# KiCad board k-1008-visable-memory.kicad_pcb
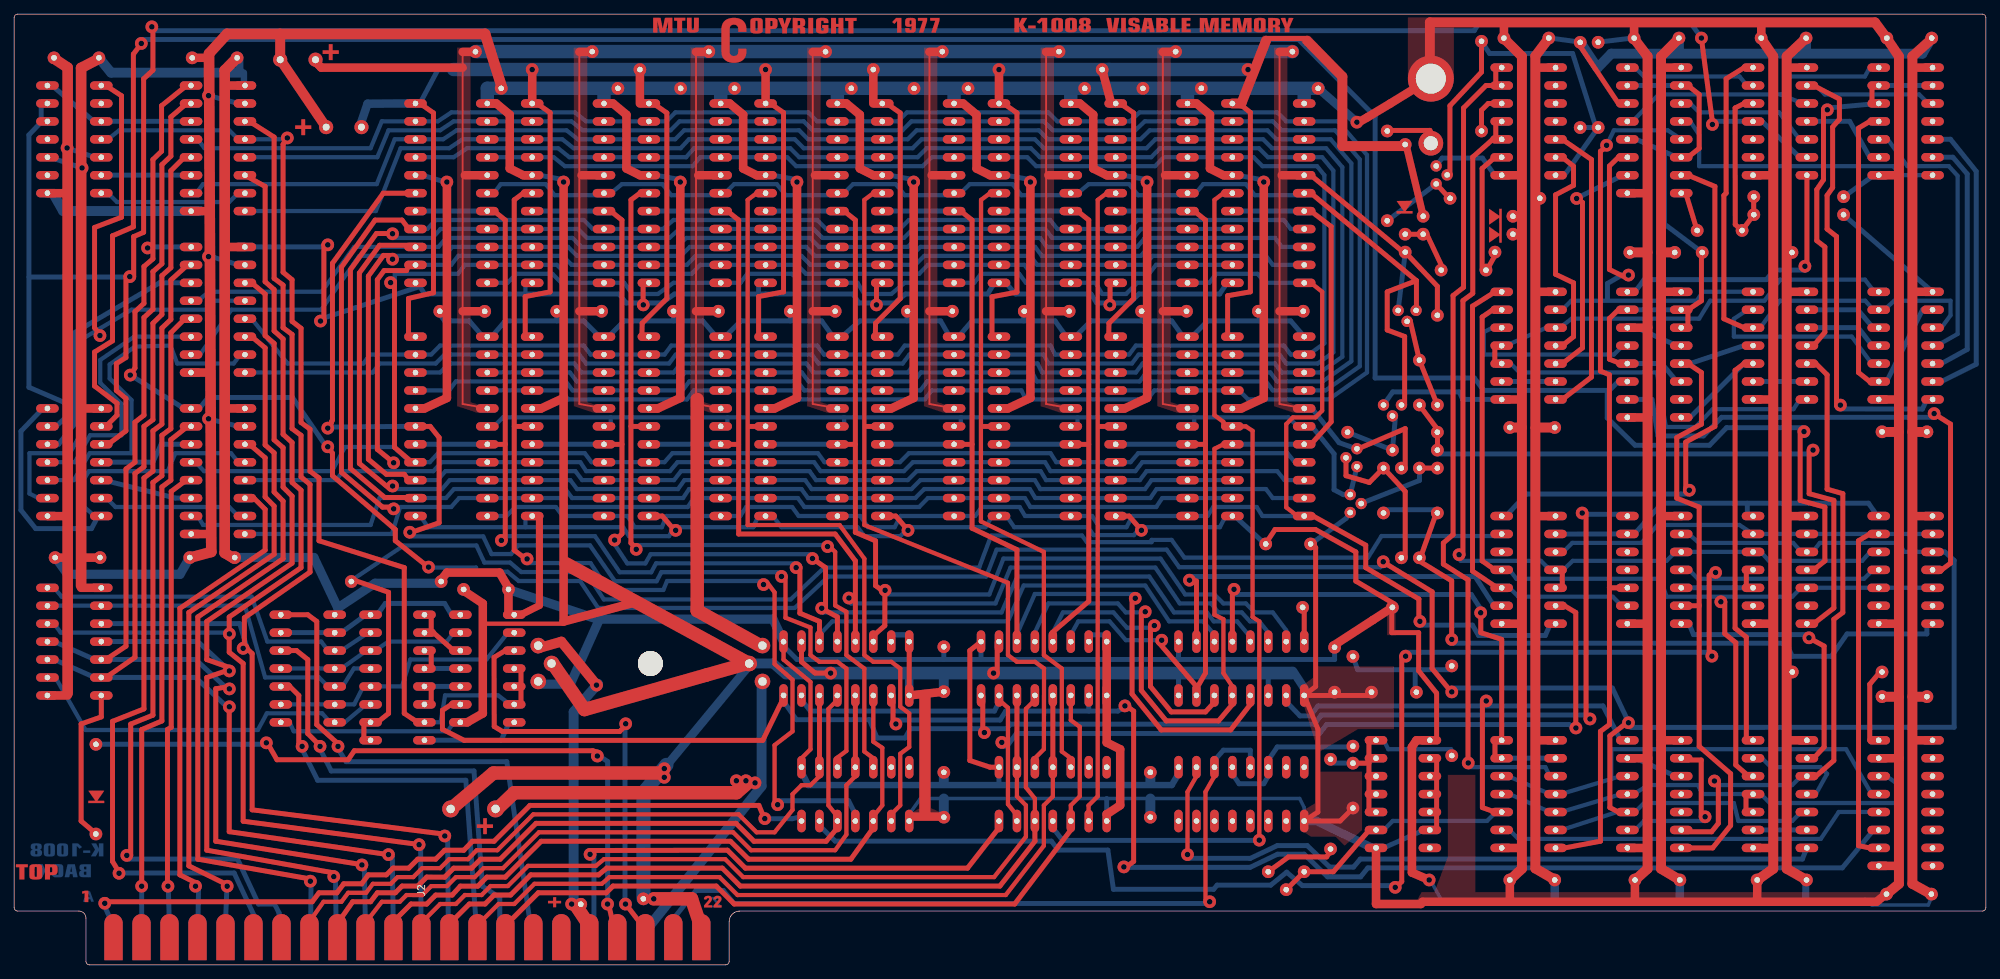
[diagram p0: board, top side]
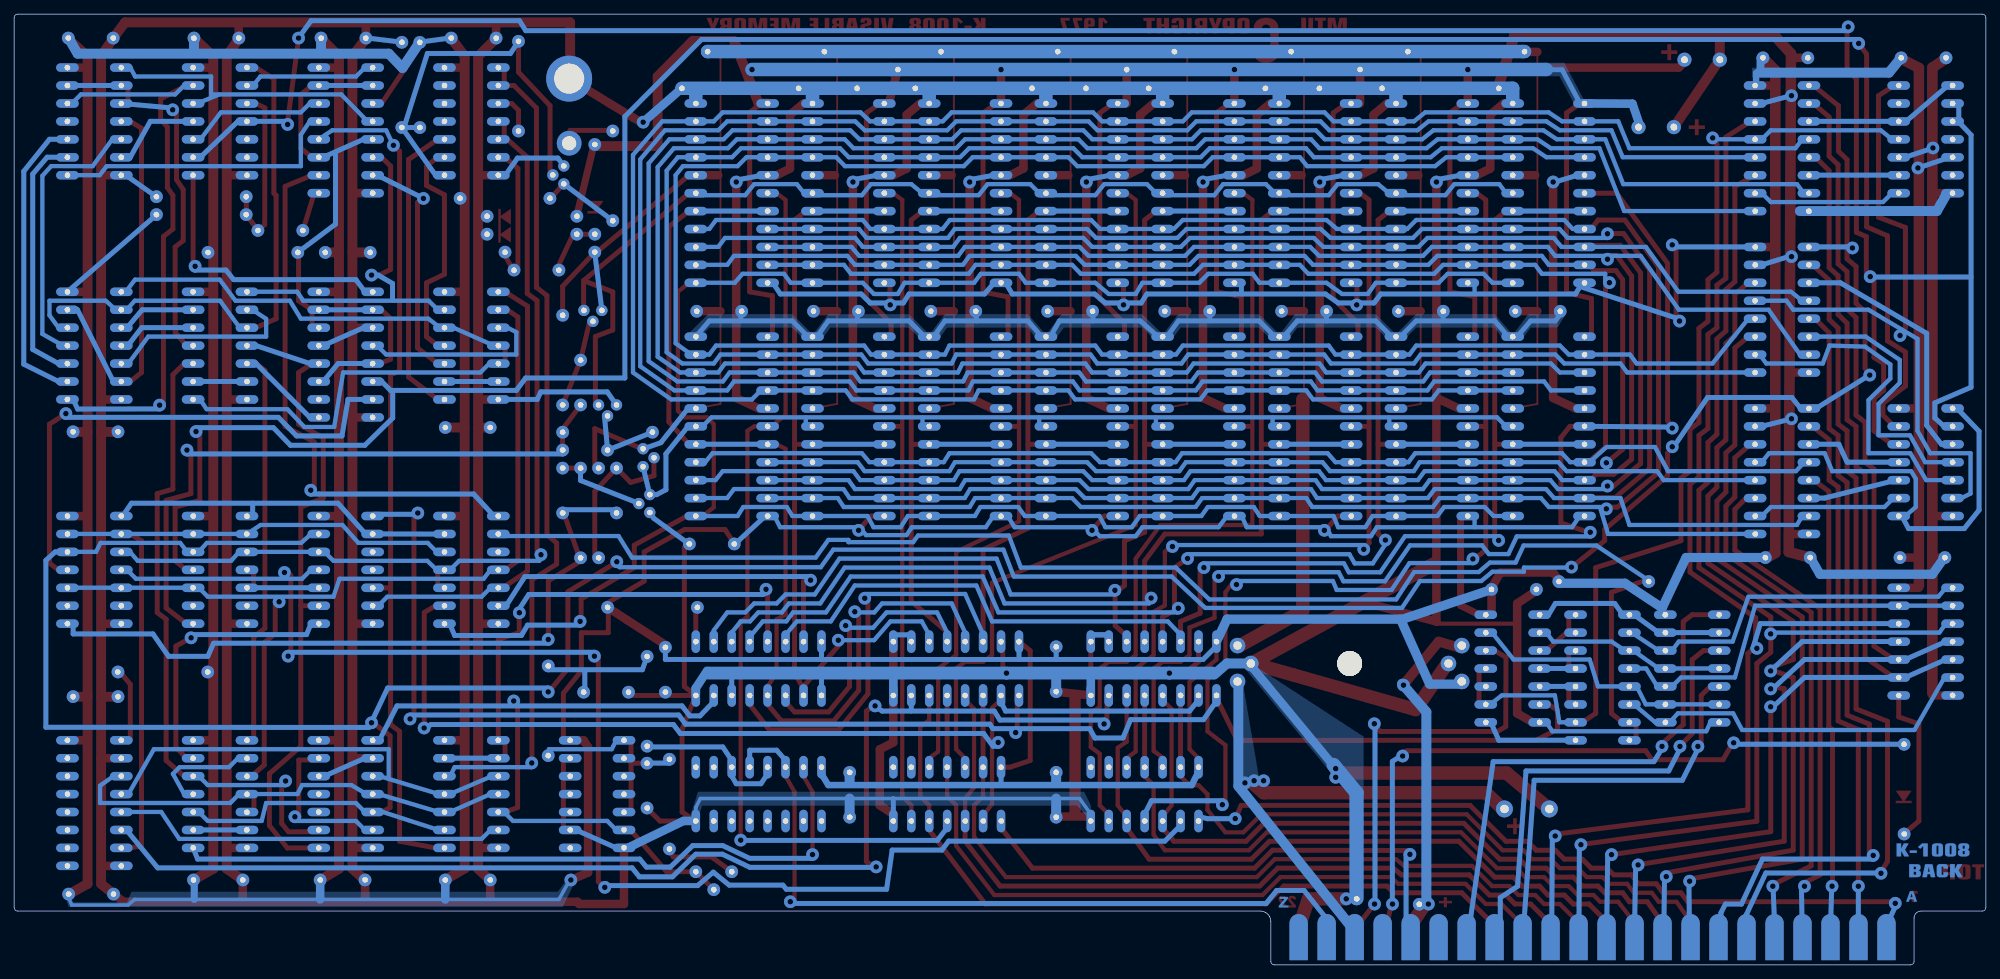
[diagram p1: board, bottom side, seen from below]

Outline 278.95 x 134.62 mm; copper layers: Top, Bottom. Coordinates in mm from the lower left corner of the outline.
Outline path: 0,134.12 0,8.12 arc(0.15,7.77) 0.5,7.62 9.16,7.62 arc(9.87,7.33) 10.16,6.62 10.16,0.5 arc(10.31,0.15) 10.66,0 100.66,0 arc(101.01,0.15) 101.16,0.5 101.16,6.12 arc(101.6,7.18) 102.66,7.62 278.45,7.62 arc(278.8,7.77) 278.95,8.12 278.95,134.12 arc(278.8,134.47) 278.45,134.62 0.5,134.62 arc(0.15,134.47) 0,134.12
Stack: Top 0.035mm / dielectric 1.6mm FR4 er 4.5 / Bottom 0.035mm

## Placement (name value [footprint] x y rotation side)
C1  1000uF  [CP_Radial_D16.0mm_P6.35mm]  68.11 22.08 180 top
C2  10uF Tant  [CP_Radial_Tantal_D4.5mm_P8.89mm]  80.16 8.58 5 top
C3  47nF  [C_Disc_D8.0mm_W2.5mm_P6.35mm]  131.53 27.26 270 top
C4  47nF  [C_Disc_D8.0mm_W2.5mm_P6.35mm]  160.74 20.91 90 top
C5  68pF  [C_Disc_D8.0mm_W2.5mm_P6.35mm]  189.41 28.56 270 top
C7  47nF  [C_Disc_D8.0mm_W2.5mm_P6.35mm]  211.6 12.02 0 top
C8  47nF  [C_Disc_D8.0mm_W2.5mm_P6.35mm]  229.31 12.02 0 top
C9  47nF  [C_Disc_D8.0mm_W2.5mm_P6.98mm]  246.59 12.02 0 top
C10  47nF  [C_Disc_D8.0mm_W2.5mm_P6.35mm]  264.89 10.02 0 top
C11  47nF  [C_Disc_D8.0mm_W2.5mm_P6.35mm]  5.8 57.67 0 top
C12  47nF  [C_Disc_D8.0mm_W2.5mm_P6.35mm]  24.85 57.67 0 top
C13  47nF  [C_Disc_D8.0mm_W2.5mm_P6.35mm]  63.59 53.16 0 top
C14  47nF  [C_Disc_D8.0mm_W2.5mm_P6.35mm]  131.53 38.69 90 top
C15  47nF  [C_Disc_D8.0mm_W2.5mm_P6.35mm]  186.81 38.61 90 top
C16  47nF  [C_Disc_D8.0mm_W2.5mm_P6.35mm]  183.42 59.6 180 top
C17  10nF  [C_Disc_D8.0mm_W2.5mm_P6.35mm]  198.38 38.61 180 top
C18  47nF  [C_Disc_D8.0mm_W2.5mm_P6.35mm]  264.26 37.98 0 top
C19  220pF  [C_Disc_D8.0mm_W2.5mm_P6.35mm]  193.73 63.99 90 top
C20  100pF  [C_Disc_D8.0mm_W2.5mm_P6.35mm]  201.35 72.89 180 top
C21  220pF  [C_Disc_D8.0mm_W2.5mm_P6.35mm]  198.81 79.28 90 top
C22  47nF  [C_Disc_D8.0mm_W2.5mm_P6.35mm]  264.26 75.48 0 top
C23  47nF  [C_Disc_D8.0mm_W2.5mm_P6.35mm]  60.22 92.54 0 top
C24  47nF  [C_Disc_D8.0mm_W2.5mm_P6.35mm]  76.76 92.55 0 top
C25  47nF  [C_Disc_D8.0mm_W2.5mm_P6.35mm]  93.28 92.55 0 top
C26  47nF  [C_Disc_D8.0mm_W2.5mm_P6.35mm]  109.81 92.55 0 top
C27  47nF  [C_Disc_D8.0mm_W2.5mm_P6.35mm]  126.38 92.55 0 top
C28  47nF  [C_Disc_D8.0mm_W2.5mm_P6.35mm]  142.91 92.55 0 top
C29  47nF  [C_Disc_D8.0mm_W2.5mm_P6.35mm]  159.51 92.55 0 top
C30  47nF  [C_Disc_D8.0mm_W2.5mm_P6.35mm]  176.03 92.55 0 top
C31  10nF  [C_Disc_D8.0mm_W2.5mm_P6.35mm]  208.23 98.38 180 top
C32  47nF  [C_Disc_D8.0mm_W2.5mm_P6.35mm]  228.58 100.88 0 top
C33  220pF  [C_Disc_D8.0mm_W2.5mm_P6.35mm]  244.46 103.99 180 top
C34  47nF  [C_Disc_D8.0mm_W2.5mm_P6.35mm]  5.64 128.43 0 top
C35  47nF  [C_Disc_D8.0mm_W2.5mm_P6.35mm]  25.19 128.43 0 top
C36  47nF  [C_Disc_D8.0mm_W2.5mm_P6.35mm]  68.91 124.11 125 top
C37  47nF  [C_Disc_D8.0mm_W2.5mm_P6.35mm]  85.42 124.11 125 top
C38  47nF  [C_Disc_D8.0mm_W2.5mm_P6.35mm]  101.92 124.11 125 top
C39  47nF  [C_Disc_D8.0mm_W2.5mm_P6.35mm]  118.44 124.11 125 top
C40  47nF  [C_Disc_D8.0mm_W2.5mm_P6.35mm]  134.95 124.11 125 top
C41  47nF  [C_Disc_D8.0mm_W2.5mm_P6.35mm]  151.46 124.11 125 top
C42  47nF  [C_Disc_D8.0mm_W2.5mm_P6.35mm]  167.96 124.11 125 top
C43  47nF  [C_Disc_D8.0mm_W2.5mm_P6.35mm]  184.48 124.11 125 top
C45  47nF  [C_Disc_D8.0mm_W2.5mm_P6.35mm]  217.95 76.09 180 top
C46  47nF  [C_Disc_D8.0mm_W2.5mm_P6.35mm]  210.77 131.23 0 top
C47  47nF  [C_Disc_D8.0mm_W2.5mm_P6.35mm]  229.18 131.23 0 top
C48  47nF  [C_Disc_D8.0mm_W2.5mm_P6.35mm]  247.16 131.23 0 top
C49  47nF  [C_Disc_D8.0mm_W2.5mm_P6.35mm]  264.94 131.23 0 top
C50  100pF  [C_Disc_D8.0mm_W2.5mm_P6.35mm]  201.35 63.99 90 top
C51  100uF  [CP_Radial_D10.0mm_P5.00mm]  42.64 128.17 180 top
C52  47nF  [C_Disc_D8.0mm_W2.5mm_P6.35mm]  88.53 126.77 335.2 top
C53  47nF  [C_Disc_D8.0mm_W2.5mm_P6.35mm]  121.55 126.77 335.2 top
C54  47nF  [C_Disc_D8.0mm_W2.5mm_P6.35mm]  153.93 126.77 335.2 top
C55  100uF  [CP_Radial_D10.0mm_P5.00mm]  44.14 118.62 0 top
D1  1N270  [D_DO-35_SOD27_P12.70mm_Horizontal]  11.57 18.53 90 top
D2  1N914  [D_DO-35_SOD27_P12.70mm_Horizontal]  196.8 103.46 90 top
D3  1N914  [D_DO-35_SOD27_P12.70mm_Horizontal]  212.04 103.46 180 top
D4  5.1V  [D_DO-35_SOD27_P12.70mm_Horizontal]  212.04 106 180 top
J1  Video Out  [RCA_Horizontal]  200.43 116.34 0 top
J2  -  [EDGE_CONN]  55.64 3.81 90 top
P1  500R  [Potentiometer_Bourns_3339P_Vertical_HandSoldering]  182.51 13.19 90 top
Q1  LM340T5  [TO-220-3_Horizontal_TabDown]  74.15 45.21 270 top
Q2  LM340T12  [TO-220-3_Horizontal_TabDown]  105.87 40.13 90 top
Q3  2N3646  [TO-92]  189.02 64.05 90 top
Q4  2N4916  [TO-92]  189.97 73.08 270 top
Q5  2N3646  [TO-92]  193.73 79.28 0 top
Q6  2N4916  [TO-92]  195.8 92.67 0 top
Q7  2N2907  [TO-92]  201.18 110.58 90 top
R1  10K  [R_Axial_DIN0309_10K_L6.3mm_D2.3mm_P12.70mm_Horizontal]  47.71 54.28 0 top
R2  470R  [R_Axial_DIN0309_2K2_L6.3mm_D2.3mm_P12.70mm_Horizontal]  186.24 29.11 270 top
R3  470R  [R_Axial_DIN0309_470R_L6.3mm_D2.3mm_P12.70mm_Horizontal]  189.4 30.97 90 top
R4  10K  [R_Axial_DIN0309_10K_L6.3mm_D2.3mm_P12.70mm_Horizontal]  182.29 50.62 0 top
R5  2K2  [R_Axial_DIN0309_2K2_L6.3mm_D2.3mm_P12.70mm_Horizontal]  203.39 42.33 270 top
R6  10K  [R_Axial_DIN0309_10K_L6.3mm_D2.3mm_P12.70mm_Horizontal]  251.56 41.47 0 top
R7  1K  [R_Axial_DIN0309_1K_L6.3mm_D2.3mm_P12.70mm_Horizontal]  188.65 75.42 0 top
R8  2K2  [R_Axial_DIN0309_2K2_L6.3mm_D2.3mm_P12.70mm_Horizontal]  201.35 91.98 270 top
R9  1K  [R_Axial_DIN0309_1K_L6.3mm_D2.3mm_P12.70mm_Horizontal]  196.8 100.92 0 top
R10  10K  [R_Axial_DIN0309_10K_L6.3mm_D2.3mm_P12.70mm_Horizontal]  251.52 100.88 180 top
R12  10K  [R_Axial_DIN0309_10K_L6.3mm_D2.3mm_P12.70mm_Horizontal]  258.82 106.23 180 top
R13  10K  [R_Axial_DIN0309_10K_L6.3mm_D2.3mm_P12.70mm_Horizontal]  246.12 108.77 0 top
R14  68R  [R_Axial_DIN0309_68R_L6.3mm_D2.3mm_P12.70mm_Horizontal]  194.26 105.37 90 top
R15  68R  [R_Axial_DIN0309_68R_L6.3mm_D2.3mm_P12.70mm_Horizontal]  203.15 108.54 0 top
R16  220R  [R_Axial_DIN0309_220R_L6.3mm_D2.3mm_P12.70mm_Horizontal]  207.6 118.07 90 top
R17  1K  [R_Axial_DIN0309_1K_L6.3mm_D2.3mm_P12.06mm_Horizontal]  221.56 118.56 90 top
R18  1K  [R_Axial_DIN0309_1K_L6.3mm_D2.3mm_P12.06mm_Horizontal]  224.1 130.63 270 top
R19  2K2  [R_Axial_DIN0309_2K2_L6.3mm_D2.3mm_P12.70mm_Horizontal]  196.26 70.34 270 top
R20  1K  [R_Axial_DIN0309_1K_L6.3mm_D2.3mm_P12.70mm_Horizontal]  198.81 70.34 270 top
Ref**  Val**  [D3_D4_Symbol]  208.63 102.24 0 top
REF**  -  [Heatsink_AAVID_TV5G_TO220_Horizontal]  90.01 42.67 90 top
Ref**#2  Val**  [Name_back]  2.31 17.22 0 top
Ref**#3  Val**  [Copyright]  90.4 132.02 0 top
Ref**#4  Val**  [C54_C55_Plus]  39.69 117.42 0 top
Ref**#5  Val**  [C1_Plus]  65.42 18.46 0 top
Ref**#6  Val**  [D1_Symbol]  10.47 22.89 0 top
Ref**#7  Val**  [D2_Symbol]  195.57 106.36 0 top
Ref**#8  Val**  [Top]  0.24 12.09 0 top
Ref**#9  Val**  [C2_Plus]  75.51 8.14 0 top
S1  DIP SOCKET FOR JUMPERS  [DIP-16_W7.62mm_LongPads]  50.43 49.58 0 top
U1  74LS30  [DIP-14_W7.62mm_LongPads]  4.71 53.39 0 top
U2  74LS04  [DIP-14_W7.62mm_LongPads]  37.73 49.58 0 top
U3  74LS10  [DIP-14_W7.62mm_LongPads]  63.13 49.58 0 top
U4  74LS04  [DIP-14_W7.62mm_LongPads]  111.39 20.37 90 top
U5  74LS173  [DIP-16_W7.62mm_LongPads]  108.85 38.15 90 top
U6  74LS04  [DIP-14_W7.62mm_LongPads]  139.33 20.37 90 top
U7  74LS173  [DIP-16_W7.62mm_LongPads]  136.79 38.15 90 top
U8  74LS368  [DIP-16_W7.62mm_LongPads]  164.73 20.37 90 top
U9  74LS166  [DIP-16_W7.62mm_LongPads]  164.73 38.15 90 top
U10  74LS13  [DIP-14_W7.62mm_LongPads]  192.67 31.8 0 top
U11  74LS10  [DIP-14_W7.62mm_LongPads]  210.45 31.8 0 top
U12  74LS393  [DIP-14_W7.62mm_LongPads]  228.23 31.8 0 top
U13  74LS00  [DIP-14_W7.62mm_LongPads]  246.01 31.8 0 top
U14  74LS109  [DIP-16_W7.62mm_LongPads]  263.79 31.8 0 top
U15  74LS20  [DIP-14_W7.62mm_LongPads]  210.45 63.55 0 top
U16  74LS04  [DIP-14_W7.62mm_LongPads]  228.23 63.55 0 top
U17  74LS55  [DIP-14_W7.62mm_LongPads]  246.01 63.55 0 top
U18  74LS55  [DIP-14_W7.62mm_LongPads]  263.79 63.55 0 top
U19  74LS393  [DIP-14_W7.62mm_LongPads]  4.71 78.79 0 top
U20  74LS158  [DIP-16_W7.62mm_LongPads]  25.03 78.79 0 top
U21  MM5280  [DIP-22_W10.16mm_LongPads]  56.78 88.95 0 top
U22  MM5280  [DIP-22_W10.16mm_LongPads]  73.29 88.95 0 top
U23  MM5280  [DIP-22_W10.16mm_LongPads]  89.8 88.95 0 top
U24  MM5280  [DIP-22_W10.16mm_LongPads]  106.31 88.95 0 top
U25  MM5280  [DIP-22_W10.16mm_LongPads]  122.82 88.95 0 top
U26  MM5280  [DIP-22_W10.16mm_LongPads]  139.33 88.95 0 top
U27  MM5280  [DIP-22_W10.16mm_LongPads]  155.84 88.95 0 top
U28  MM5280  [DIP-22_W10.16mm_LongPads]  172.35 88.95 0 top
U29  74LS00  [DIP-14_W7.62mm_LongPads]  210.45 95.3 0 top
U30  74LS109  [DIP-16_W7.62mm_LongPads]  228.23 95.3 0 top
U31  74LS08  [DIP-14_W7.62mm_LongPads]  246.01 95.3 0 top
U32  74LS393  [DIP-14_W7.62mm_LongPads]  263.79 95.3 0 top
U33  74LS158  [DIP-16_W7.62mm_LongPads]  25.03 101.65 0 top
U34  74LS93  [DIP-14_W7.62mm_LongPads]  4.71 124.51 0 top
U35  74LS158  [DIP-16_W7.62mm_LongPads]  25.03 124.51 0 top
U36  MM5280  [DIP-22_W10.16mm_LongPads]  56.78 121.97 0 top
U37  MM5280  [DIP-22_W10.16mm_LongPads]  73.29 121.97 0 top
U38  MM5280  [DIP-22_W10.16mm_LongPads]  89.8 121.97 0 top
U39  MM5280  [DIP-22_W10.16mm_LongPads]  106.31 121.97 0 top
U40  MM5280  [DIP-22_W10.16mm_LongPads]  122.82 121.97 0 top
U41  MM5280  [DIP-22_W10.16mm_LongPads]  139.33 121.97 0 top
U42  MM5280  [DIP-22_W10.16mm_LongPads]  155.84 121.97 0 top
U43  MM5280  [DIP-22_W10.16mm_LongPads]  172.35 121.97 0 top
U44  74LS26  [DIP-14_W7.62mm_LongPads]  210.45 127.05 0 top
U45  74LS109  [DIP-16_W7.62mm_LongPads]  228.23 127.05 0 top
U46  74LS04  [DIP-14_W7.62mm_LongPads]  246.01 127.05 0 top
U47  74LS20  [DIP-14_W7.62mm_LongPads]  263.79 127.05 0 top

## Library data of the parts
C1 C2 = -: Description: Polarized capacitor, US symbol
C3-C5 C7-C43 C45-C50 C52-C54 = -: Description: Unpolarized capacitor, small symbol
C51 C55 = -: Description: Polarized capacitor, small US symbol
D1 = -: Description: 100V 0.15A standard switching diode, DO-35; Sim.Device: D; Sim.Pins: 1=K 2=A
D2 D3 = -: Description: 100V 0.3A Small Signal Fast Switching Diode, DO-35; Sim.Device: D; Sim.Pins: 1=K 2=A
D4 = -: Description: Zener diode
J1 = -: Description: Audio Jack, 2 Poles (Mono / TS)
J2 = -: Description: Generic connector, double row, 02x22, counter clockwise pin numbering scheme (similar to DIP packge numbering), script generated (kicad-library-utils/schlib/autogen/connector/)
P1 = -: Description: Potentiometer
Q1 Q2 = -: Description: Positive 1.5A 35V Linear Regulator, Fixed Output 5V, TO-220/TO-263/TO-252
Q3 Q5 = -: Description: 1A Ic, 40V Vce, NPN Transistor, General Purpose Transistor, TO-92
Q4 Q6 Q7 = -: Description: -0.2A Ic, -40V Vce, Small Signal PNP Transistor, TO-92
R1-R10 R12-R20 = -: Description: Resistor, small US symbol
S1 = -: Description: Generic connector, double row, 02x08, counter clockwise pin numbering scheme (similar to DIP package numbering), script generated (kicad-library-utils/schlib/autogen/connector/)
U1 = -: Description: 8-input NAND
U2 U4 U6 U16 U46 = -: Description: Hex Inverter
U3 U11 = -: Description: Triple 3-input NAND
U5 U7 = -: Description: 4-bit D-type Register, 3 state out
U8 = -: Description: Hex Bus Driver inverter, 3-state outputs
U9 = -: Description: Shift Register 8-bit, parallel load
U10 = -: Description: Dual 4-input NAND Schmitt trigger
U12 U19 U32 = -: Description: Dual BCD 4-bit counter
U13 U29 = -: Description: quad 2-input NAND gate
U14 U30 U45 = -: Description: Dual JK Flip-Flop, Set & Reset
U15 U47 = -: Description: Dual 4-input NAND
U17 U18 = -: Description: AND-NOR ( S = / (ABCD + EFGH) )
U20 U33 U35 = -: Description: Quad 2 to 1 multiplexer
U21-U28 U36-U43 = -: Description: 4096-Bit (4096x1) Dynamic RAM
U31 = -: Description: Quad And2
U34 = -: Description: Divide by 2 & 8 counter
U44 = -: Description: Quad 2-input NAND Open collector

## Footprints (pads in the part's own frame, mm; a bottom-side part is the same pattern mirrored in y, then rotated)
C_Disc_D8.0mm_W2.5mm_P6.35mm
  round 1.8 hole 0.8: 1(0,0) 2(6.35,0)
C_Disc_D8.0mm_W2.5mm_P6.98mm
  round 1.8 hole 0.8: 1(0,0) 2(6.98,0)
CP_Radial_D10.0mm_P5.00mm
  round 2 hole 1: 1(0,0) 2(5,0)
CP_Radial_D16.0mm_P6.35mm
  round 2.4 hole 1.2: 1(0,0) 2(6.35,0)
CP_Radial_Tantal_D4.5mm_P8.89mm
  round 1.8 hole 0.8: 1(0,0) 2(8.89,0)
D_DO-35_SOD27_P12.70mm_Horizontal
  round 1.8 hole 0.8: 1(0,0) 2(12.7,0)
DIP-14_W7.62mm_LongPads
  rrect 3.2x1.2 hole 0.8: 1(0,0) 2(0,-2.54) 3(0,-5.08) 4(0,-7.62) 5(0,-10.16) 6(0,-12.7) 7(0,-15.24) 8(7.62,-15.24) 9(7.62,-12.7) 10(7.62,-10.16) 11(7.62,-7.62) 12(7.62,-5.08) 13(7.62,-2.54) 14(7.62,0)
DIP-16_W7.62mm_LongPads
  rrect 3.2x1.2 hole 0.8: 1(0,0) 2(0,-2.54) 3(0,-5.08) 4(0,-7.62) 5(0,-10.16) 6(0,-12.7) 7(0,-15.24) 8(0,-17.78) 9(7.62,-17.78) 10(7.62,-15.24) 11(7.62,-12.7) 12(7.62,-10.16) 13(7.62,-7.62) 14(7.62,-5.08) 15(7.62,-2.54) 16(7.62,0)
DIP-22_W10.16mm_LongPads
  rrect 3.2x1.2 hole 0.8: 1(0,0) 2(0,-2.54) 3(0,-5.08) 4(0,-7.62) 5(0,-10.16) 6(0,-12.7) 7(0,-15.24) 8(0,-17.78) 9(0,-20.32) 10(0,-22.86) 11(0,-25.4) 12(10.16,-25.4) 13(10.16,-22.86) 14(10.16,-20.32) 15(10.16,-17.78) 16(10.16,-15.24) 17(10.16,-12.7) 18(10.16,-10.16) 19(10.16,-7.62) 20(10.16,-5.08) 21(10.16,-2.54) 22(10.16,0)
EDGE_CONN
  rrect 6.54x2.6 smd: 1(0.12,41.58) 2(0.12,37.62) 3(0.12,33.66) 4(0.12,29.7) 5(0.12,25.74) 6(0.12,21.78) 7(0.12,17.82) 8(0.12,13.86) 9(0.12,9.9) 10(0.12,5.94) 11(0.12,1.98) 12(0.12,-1.98) 13(0.12,-5.94) 14(0.12,-9.9) 15(0.12,-13.86) 16(0.12,-17.82) 17(0.12,-21.78) 18(0.12,-25.74) 19(0.12,-29.7) 20(0.12,-33.66) 21(0.12,-37.62) 22(0.12,-41.58)
  rrect 6.54x2.6 smd far side: A(0.12,41.58) B(0.12,37.62) C(0.12,33.66) D(0.12,29.7) E(0.12,25.74) F(0.12,21.78) H(0.12,17.82) J(0.12,13.86) K(0.12,9.9) L(0.12,5.94) M(0.12,1.98) N(0.12,-1.98) P(0.12,-5.94) R(0.12,-9.9) S(0.12,-13.86) T(0.12,-17.82) U(0.12,-21.78) V(0.12,-25.74) W(0.12,-29.7) X(0.12,-33.66) Y(0.12,-37.62) Z(0.12,-41.58)
Heatsink_AAVID_TV5G_TO220_Horizontal
  oval 3.5x3.5 hole 3.5 unplated: (0,0)
Potentiometer_Bourns_3339P_Vertical_HandSoldering
  round 1.8 hole 0.8: 1(0,0) 2(-2.54,2.54) 3(0,5.08)
R_Axial_DIN0309_1K_L6.3mm_D2.3mm_P12.06mm_Horizontal
  round 1.8 hole 0.8: 1(0,0) 2(12.06,0)
R_Axial_DIN0309_1K_L6.3mm_D2.3mm_P12.70mm_Horizontal
  round 1.8 hole 0.8: 1(0,0) 2(12.7,0)
R_Axial_DIN0309_2K2_L6.3mm_D2.3mm_P12.70mm_Horizontal
  round 1.8 hole 0.8: 1(0,0) 2(12.7,0)
R_Axial_DIN0309_10K_L6.3mm_D2.3mm_P12.70mm_Horizontal
  round 1.8 hole 0.8: 1(0,0) 2(12.7,0)
R_Axial_DIN0309_68R_L6.3mm_D2.3mm_P12.70mm_Horizontal
  round 1.8 hole 0.8: 1(0,0) 2(12.7,0)
R_Axial_DIN0309_220R_L6.3mm_D2.3mm_P12.70mm_Horizontal
  round 1.8 hole 0.8: 1(0,0) 2(12.7,0)
R_Axial_DIN0309_470R_L6.3mm_D2.3mm_P12.70mm_Horizontal
  round 1.8 hole 0.8: 1(0,0) 2(12.7,0)
RCA_Horizontal
  round 6.5 hole 4.25: S(0,9.144)
  round 3.5 hole 2: T(0,0)
TO-92
  round 1.6 hole 0.8: 1(0,0) 2(1.27,-1.55) 3(2.54,0)
TO-220-3_Horizontal_TabDown
  oval 3.5x3.5 hole 3.5 unplated: (2.54,15.86)
  round 2.2 hole 1.2: 1(0,0) 2(2.54,1.88) 3(5.08,0)

## Nets
+5V: C3.1 C4.2 C7.2 C8.2 C9.2 C10.2 C11.2 C12.2 C13.2 C14.2 C15.2 C16.2 C18.2 C22.2 C32.2 C34.2 C35.2 C45.1 C46.2 C47.2 C48.2 C49.2 Q1.3 R1.2 R4.2 R6.1 R10.1 R12.1 R15.2 R17.2 U1.14 U2.14 U3.14 U4.14 U5.16 U6.14 U7.16 U8.16 U9.16 U10.14 U11.14 U12.14 U13.14 U14.16 U15.14 U16.14 U17.14 U18.14 U19.14 U20.16 U21.11 U22.11 U23.11 U24.11 U25.11 U26.11 U27.11 U28.11 U29.14 U30.16 U31.14 U32.14 U33.16 U34.5 U35.16 U36.11 U37.11 U38.11 U39.11 U40.11 U41.11 U42.11 U43.11 U44.14 U45.3 U45.16 U46.14 U47.14
+12V: C23.2 C24.2 C25.2 C26.2 C27.2 C28.2 C29.2 C30.2 C36.2 C37.2 C38.2 C39.2 C40.2 C41.2 C42.2 C43.2 C51.1 Q2.3 Q4.1 Q6.1 R8.1 R9.1 R19.1 U21.18 U22.18 U23.18 U24.18 U25.18 U26.18 U27.18 U28.18 U36.18 U37.18 U38.18 U39.18 U40.18 U41.18 U42.18 U43.18
-5V: C52.1 C53.1 C54.1 C55.2 D2.2 D4.2 U21.1 U22.1 U23.1 U24.1 U25.1 U26.1 U27.1 U28.1 U36.1 U37.1 U38.1 U39.1 U40.1 U41.1 U42.1 U43.1
/+7.5V_RAW: C2.1 J2.18 Q1.1
/+16V_RAW: C1.1 J2.X Q2.1
GND: C1.2 C2.2 C3.2 C4.1 C5.2 C7.1 C8.1 C9.1 C10.1 C11.1 C12.1 C13.1 C14.1 C15.1 C16.1 C17.2 C18.1 C22.1 C23.1 C24.1 C25.1 C26.1 C27.1 C28.1 C29.1 C30.1 C32.1 C34.1 C35.1 C36.1 C37.1 C38.1 C39.1 C40.1 C41.1 C42.1 C43.1 C45.2 C46.1 C47.1 C48.1 C49.1 C51.2 C52.2 C53.2 C54.2 C55.1 D3.1 D4.1 J1.S J2.22 Q1.2 Q2.2 Q3.1 Q5.1 Q7.3 R13.2 R18.1 U1.7 U2.7 U3.7 U4.7 U5.8 U5.9 U5.10 U5.15 U6.7 U7.8 U7.9 U7.10 U7.15 U8.8 U9.1 U9.6 U9.8 U10.7 U10.9 U10.10 U10.11 U10.12 U10.13 U11.7 U12.2 U12.7 U12.12 U13.7 U14.2 U14.8 U15.7 U16.7 U17.7 U18.7 U19.7 U20.8 U20.15 U21.5 U21.22 U22.5 U22.22 U23.5 U23.22 U24.5 U24.22 U25.5 U25.22 U26.5 U26.22 U27.5 U27.22 U28.5 U28.22 U29.7 U30.3 U30.8 U30.13 U31.7 U32.7 U33.8 U33.15 U34.7 U34.10 U35.8 U35.15 U36.5 U36.22 U37.5 U37.22 U38.5 U38.22 U39.5 U39.22 U40.5 U40.22 U41.5 U41.22 U42.5 U42.22 U43.5 U43.22 U44.7 U45.8 U46.7 U47.7
10K_PULLUP: R10.2 U30.2 U30.5 U30.11 U30.14 U30.15 U45.2 U45.5 U45.11 U45.15
/Address decoding and multiplexing/DISP_AD_12: S1.10 U3.9 U3.10 U3.11 U34.11 U35.13
/Address decoding and multiplexing/DISP_AD_CLR: U19.2 U19.12 U34.2 U34.3 U46.4 U46.9
/Address decoding and multiplexing/DISP_AD_Ø: U17.11 U19.13 U30.6
/Address decoding and multiplexing/DOT_4: U11.9 U12.5 U13.10 U16.13 U17.12 U18.12 U20.1 U33.1 U35.1
/Address decoding and multiplexing/~{BOARD_ADDR}: U3.6 U5.1 U7.1 U16.1
/KIM_A0: J2.A U4.1
/KIM_A1: J2.B U20.2
/KIM_A2: J2.C U20.5
/KIM_A3: J2.D U20.11
/KIM_A4: J2.E U20.14
/KIM_A5: J2.F U33.2
/KIM_A6: J2.H U33.5
/KIM_A7: J2.J U33.11
/KIM_A8: J2.K U1.11 U33.14
/KIM_A9: J2.L U1.4 U1.10 U35.2
/KIM_A10: J2.M U1.5 U1.9 U35.5
/KIM_A11: J2.N U1.3 U35.11
/KIM_A12: J2.P U1.12 U35.14
/KIM_A13: J2.R U2.5
/KIM_A14: J2.S U2.3
/KIM_A15: J2.T U2.1
/KIM_D0: J2.15 U6.5 U7.6
/KIM_D1: J2.14 U6.11 U7.5
/KIM_D2: J2.13 U6.3 U7.4
/KIM_D3: J2.12 U6.13 U7.3
/KIM_D4: J2.11 U4.5 U5.6
/KIM_D5: J2.10 U4.11 U5.5
/KIM_D6: J2.9 U4.3 U5.4
/KIM_D7: J2.8 U4.13 U5.3
/KIM_R~{W}: J2.V U6.1
/Ram chips (high)/CE_EVEN: Q3.3 Q4.3 U21.17 U22.17 U23.17 U24.17 U25.17 U26.17 U27.17 U28.17
/Ram chips (high)/CE_ODD: Q5.3 Q6.3 U36.17 U37.17 U38.17 U39.17 U40.17 U41.17 U42.17 U43.17
/Ram chips (high)/~{DIN_4}: U4.6 U24.6 U39.6
/Ram chips (high)/~{DIN_5}: U4.10 U23.6 U38.6
/Ram chips (high)/~{DIN_6}: U4.4 U22.6 U37.6
/Ram chips (high)/~{DIN_7}: U4.12 U21.6 U36.6
/Ram chips (high)/~{LOC_RW}: U5.2 U6.2 U7.2 U15.9
/Ram chips (high)/~{MEM_CE}: U5.7 U7.7 U14.6
/Ram chips (high)/~{RAM_WE}: U15.8 U21.12 U22.12 U23.12 U24.12 U25.12 U26.12 U27.12 U28.12 U36.12 U37.12 U38.12 U39.12 U40.12 U41.12 U42.12 U43.12
/Ram chips (low)/~{DIN_0}: U6.6 U27.6 U42.6
/Ram chips (low)/~{DIN_1}: U6.10 U26.6 U41.6
/Ram chips (low)/~{DIN_2}: U6.4 U28.6 U43.6
/Ram chips (low)/~{DIN_3}: U6.12 U25.6 U40.6
/RAM_A0: U20.4 U21.8 U22.15 U23.8 U24.15 U25.8 U26.15 U27.8 U28.15 U36.13 U37.10 U38.13 U39.10 U40.13 U41.10 U42.13 U43.10
/RAM_A1: U20.7 U21.10 U22.13 U23.10 U24.13 U25.10 U26.13 U27.10 U28.13 U36.15 U37.8 U38.15 U39.8 U40.15 U41.8 U42.15 U43.8
/RAM_A2: U20.9 U21.13 U22.10 U23.13 U24.10 U25.13 U26.10 U27.13 U28.10 U36.8 U37.15 U38.8 U39.15 U40.8 U41.15 U42.8 U43.15
/RAM_A3: U20.12 U21.15 U22.8 U23.15 U24.8 U25.15 U26.8 U27.15 U28.8 U36.10 U37.13 U38.10 U39.13 U40.10 U41.13 U42.10 U43.13
/RAM_A4: U21.14 U22.9 U23.14 U24.9 U25.14 U26.9 U27.14 U28.9 U33.4 U36.9 U37.14 U38.9 U39.14 U40.9 U41.14 U42.9 U43.14
/RAM_A5: U21.9 U22.14 U23.9 U24.14 U25.9 U26.14 U27.9 U28.14 U33.7 U36.14 U37.9 U38.14 U39.9 U40.14 U41.9 U42.14 U43.9
/RAM_A6: U21.21 U22.2 U23.21 U24.2 U25.21 U26.2 U27.21 U28.2 U33.9 U36.4 U37.19 U38.4 U39.19 U40.4 U41.19 U42.4 U43.19
/RAM_A7: U21.2 U22.21 U23.2 U24.21 U25.2 U26.21 U27.2 U28.21 U33.12 U36.19 U37.4 U38.19 U39.4 U40.19 U41.4 U42.19 U43.4
/RAM_A8: U21.19 U22.4 U23.19 U24.4 U25.19 U26.4 U27.19 U28.4 U35.4 U36.2 U37.21 U38.2 U39.21 U40.2 U41.21 U42.2 U43.21
/RAM_A9: U21.20 U22.3 U23.20 U24.3 U25.20 U26.3 U27.20 U28.3 U35.7 U36.3 U37.20 U38.3 U39.20 U40.3 U41.20 U42.3 U43.20
/RAM_A10: U21.3 U22.20 U23.3 U24.20 U25.3 U26.20 U27.3 U28.20 U35.9 U36.20 U37.3 U38.20 U39.3 U40.20 U41.3 U42.20 U43.3
/RAM_A11: U21.4 U22.19 U23.4 U24.19 U25.4 U26.19 U27.4 U28.19 U35.12 U36.21 U37.2 U38.21 U39.2 U40.21 U41.2 U42.21 U43.2
/RAM_DOUT_0: U7.11 U9.2 U27.7 U27.16 U42.7 U42.16
/RAM_DOUT_1: U7.12 U9.3 U26.7 U26.16 U41.7 U41.16
/RAM_DOUT_2: U7.13 U9.4 U28.7 U28.16 U43.7 U43.16
/RAM_DOUT_3: U7.14 U9.5 U25.7 U25.16 U40.7 U40.16
/RAM_DOUT_4: U5.11 U9.10 U24.7 U24.16 U39.7 U39.16
/RAM_DOUT_5: U5.12 U9.11 U23.7 U23.16 U38.7 U38.16
/RAM_DOUT_6: U5.13 U9.12 U22.7 U22.16 U37.7 U37.16
/RAM_DOUT_7: U5.14 U9.14 U21.7 U21.16 U36.7 U36.16
/Sync and video gen/DOT_1: U11.3 U11.11 U12.3 U14.4
/Sync and video gen/DOT_2: U11.4 U11.10 U12.4 U13.4 U13.5 U14.3
/Sync and video gen/DOT_CLK: P1.1 P1.2 U9.7 U10.6 U11.5 U12.1
/Sync and video gen/HORIZ_UNBLK: U13.3 U15.4 U17.10 U18.5 U18.10 U29.2
/Sync and video gen/VIDEO: J1.T R14.2
/Sync and video gen/~{DISP_AD_0}: U18.11 U30.7
/~{KIM_DECODE_ENABLE}: J2.20 U3.12
/~{KIM_PHI_2}: J2.Y U8.12 U8.14
/~{KIM_VECTOR_FETCH}: D1.2 J2.19
Net-(C5-Pad1): C5.1 R2.1 R5.2 U10.1 U10.2 U10.3 U10.4 U10.5
Net-(C17-Pad1): C17.1 R3.2 R5.1
Net-(C19-Pad1): C19.1 C50.1 R20.2 U18.8
Net-(C20-Pad1): C20.1 C21.1 R7.2 U17.8
Net-(C31-Pad1): C31.1 R9.2 U44.6
Net-(C33-Pad1): C33.1 R12.2 R13.1 U46.3
Net-(D1-K): D1.1 U1.8
Net-(D2-K): C31.2 D2.1 D3.2
Net-(P1-Pad3): P1.3 R2.2
Net-(Q3-B): C50.2 Q3.2 R20.1
Net-(Q4-B): C19.2 Q4.2 R19.2
Net-(Q5-B): C20.2 Q5.2 R7.1
Net-(Q6-B): C21.2 Q6.2 R8.2
Net-(Q7-B): Q7.2 R16.2 R17.1 R18.2 U44.8